# KiCad board mainboard.kicad_pcb
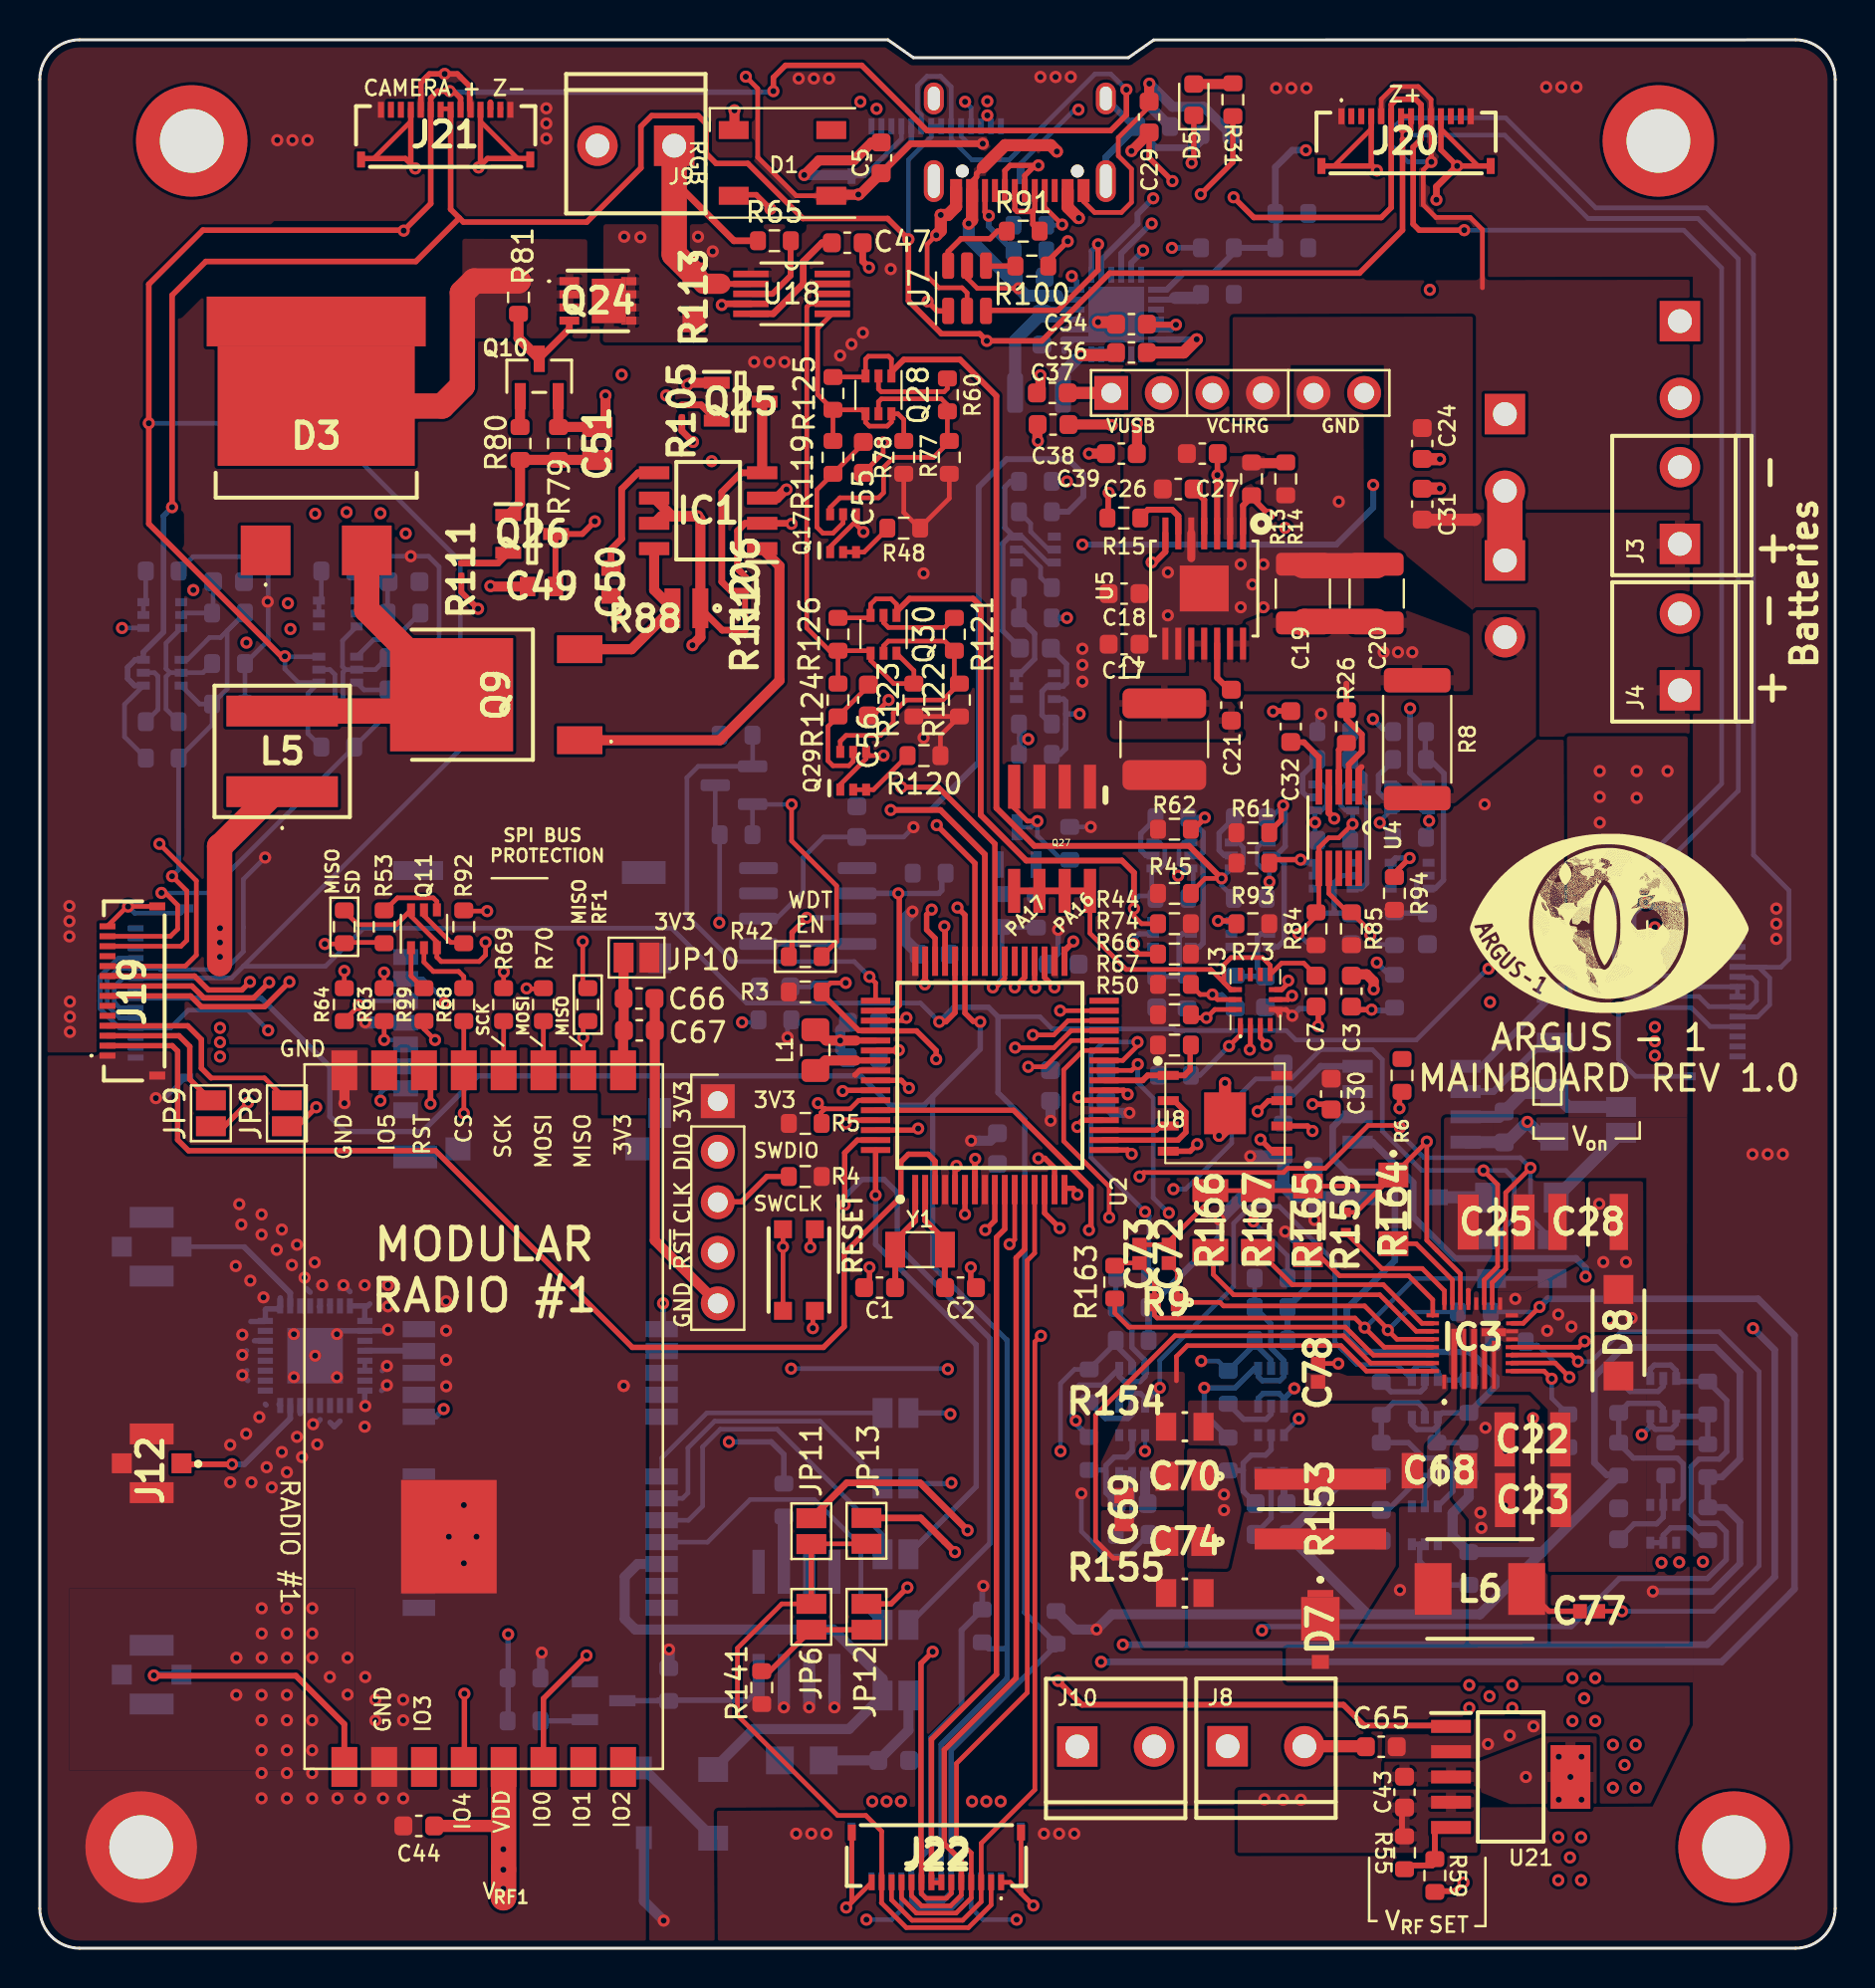
[diagram p0: board, top side]
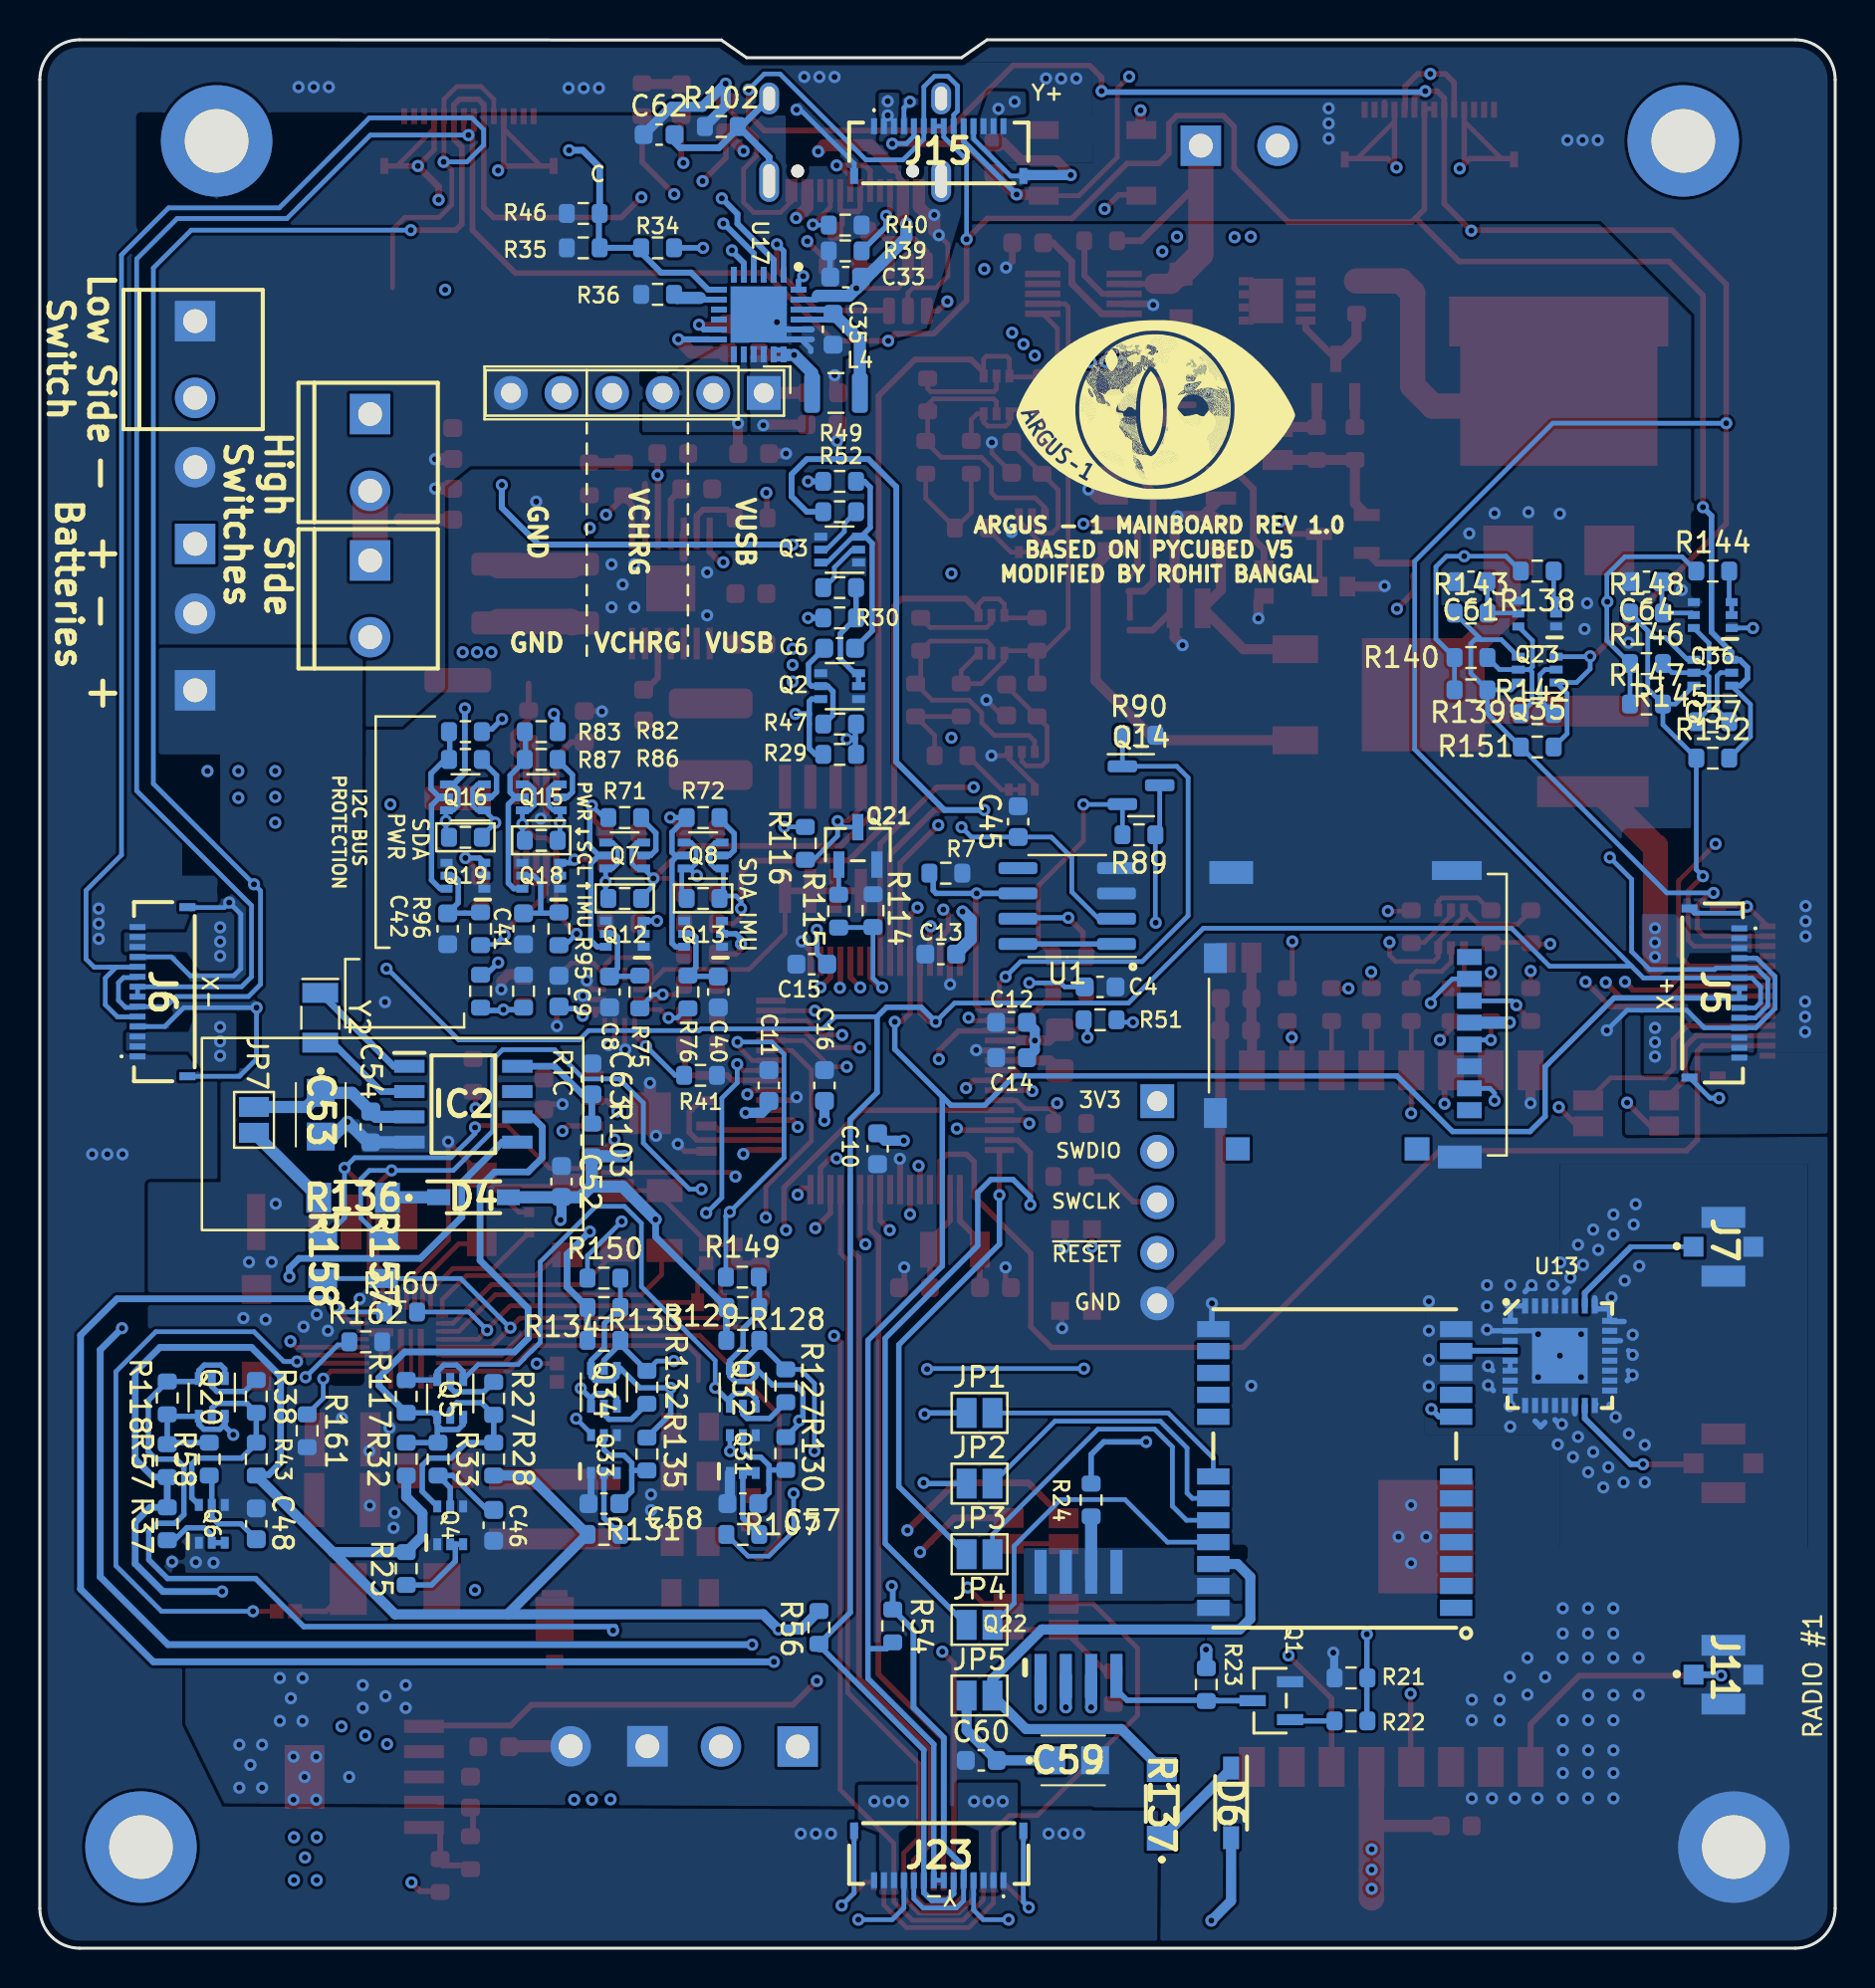
[diagram p1: board, bottom side, seen from below]

Outline 90.17 x 95.88 mm; copper layers: Top, Route2, Route15, Bottom. Coordinates in mm from the lower left corner of the outline.
Outline path: 0,93.88 0,2 arc(0.59,0.59) 2,0 88.17,0 arc(89.58,0.59) 90.17,2 90.17,93.88 arc(89.58,95.3) 88.17,95.88 55.94,95.88 54.67,94.99 43.87,94.99 42.6,95.88 2,95.88 arc(0.59,95.3) 0,93.88
Stack: Top 0.035mm / dielectric 0.48mm FR4 er 4.5 / Route2 0.035mm / dielectric 0.48mm FR4 er 4.5 / Route15 0.035mm / dielectric 0.48mm FR4 er 4.5 / Bottom 0.035mm

## Placement (name value [footprint] x y rotation side)
.  .  [Argus LOGO]  78.63 51.55 0 top
.#2  .  [Argus LOGO]  34.33 77.36 180 bottom
C1  8pF  [C_0603_1608Metric]  42.18 33.19 180 top
C2  8pF  [C_0603_1608Metric]  46.24 33.19 0 top
C3  0.1uF  [C_0603_1608Metric]  65.87 48.08 90 top
C4  1uF  [C_0603_1608Metric]  36.92 48.3 0 bottom
C5  0.1uF  [C_0603_1608Metric]  42.25 89.95 90 top
C6  10uF  [C_0603_1608Metric]  50 65.32 0 bottom
C7  0.1uF  [C_0603_1608Metric]  64.1 48.08 270 top
C8  10nF  [C_0603_1608Metric]  61.56 48.04 270 bottom
C9  0.1uF  [C_0603_1608Metric]  64.1 48.08 270 bottom
C10  0.1uF  [C_0603_1608Metric]  48.09 40.17 270 bottom
C11  0.1uF  [C_0603_1608Metric]  53.56 43.35 90 bottom
C12  1uF  [C_0603_1608Metric]  41.36 46.52 180 bottom
C13  1uF  [C_0603_1608Metric]  44.92 49.95 0 bottom
C14  10uF  [C_0603_1608Metric]  41.36 44.74 0 bottom
C15  1uF  [C_0603_1608Metric]  51.4 49.44 0 bottom
C16  10uF  [C_0603_1608Metric]  50.76 43.35 90 bottom
C17  22uF  [C_0603_1608Metric]  54.46 65.52 180 top
C18  22uF  [C_0603_1608Metric]  54.46 68.06 180 top
C19  100uF  [C_1210_3225Metric]  63.43 68.06 90 top
C20  100uF  [C_1210_3225Metric]  67.14 68.06 90 top
C21  0.1uF  [C_0603_1608Metric]  59.84 62.46 90 top
C22  47uF 25V  [CAPC3225X279N]  74.97 25.57 0 top
C23  47uF 25V  [CAPC3225X279N]  74.99 22.52 0 top
C24  0.1uF  [C_0603_1608Metric]  69.43 75.6 270 top
C25  1uF 25V  [CAPC3225X170N]  73.14 36.49 180 top
C26  3.3nF  [C_0603_1608Metric]  57.18 73.32 180 top
C27  1uF  [C_0603_1608Metric]  58.38 75.1 180 top
C28  10uF 25V  [CAPC3225X230N]  77.76 36.49 0 top
C29  4.7uF  [C_0603_1608Metric]  55.71 92.01 90 top
C30  0.1uF  [C_0603_1608Metric]  64.86 42.92 270 top
C31  22uF  [C_0603_1608Metric]  69.43 72.56 90 top
C32  3.3nF  [C_0603_1608Metric]  62.83 61.38 270 top
C33  1uF  [C_0603_1608Metric]  49.7 83.96 180 bottom
C34  4.7uF  [C_0603_1608Metric]  54.83 81.6 180 top
C35  10uF  [C_0603_1608Metric]  50.33 81.34 90 bottom
C36  47nF  [C_0603_1608Metric]  54.83 80.18 0 top
C37  22uF  [C_0603_1608Metric]  50.85 78.14 0 top
C38  22uF  [C_0603_1608Metric]  50.89 76.56 0 top
C39  10uF  [C_0603_1608Metric]  54.32 75.1 0 top
C40  10nF  [C_0603_1608Metric]  56.1 48.04 270 bottom
C41  10nF  [C_0603_1608Metric]  65.87 51.22 270 bottom
C42  10nF  [C_0603_1608Metric]  69.68 51.22 270 bottom
C43  10uF  [C_0603_1608Metric]  68.54 7.84 270 top
C44  10uF  [C_0603_1608Metric]  19.03 6.14 0 top
C45  0.1uF  [C_0603_1608Metric]  41.03 56.6 90 bottom
C46  10nF  [C_0603_1608Metric]  67.37 21.25 270 bottom
C47  3.3nF  [C_0603_1608Metric]  40.55 85.69 180 top
C48  10nF  [C_0603_1608Metric]  79.3 21.32 90 bottom
C49  0.1u  [CAPC1608X87N]  25.2 68.41 0 top
C50  0.1u  [CAPC1608X87N]  28.69 68.64 90 top
C51  100u  [CAPC2012X150N]  28 75.6 270 top
C52  10uF  [C_0603_1608Metric]  63.97 38.52 270 bottom
C53  -  [CPH3225A]  76.36 42.18 270 bottom
C54  1uF  [C_0603_1608Metric]  73.55 41.26 90 bottom
C55  10nF  [C_0603_1608Metric]  41.36 74.91 270 top
C56  10nF  [C_0603_1608Metric]  41.61 62.71 270 top
C57  10nF  [C_0603_1608Metric]  54.86 22.34 0 bottom
C58  10nF  [C_0603_1608Metric]  61.84 22.34 0 bottom
C59  -  [CPH3225A]  38.57 9.14 180 bottom
C60  1uF  [C_0603_1608Metric]  42.89 9.44 180 bottom
C61  10nF  [C_0603_1608Metric]  18.29 68.66 0 bottom
C62  4.7nF  [C_0603_1608Metric]  59.07 91.12 180 bottom
C63  10uF  [C_0603_1608Metric]  62.44 43.68 270 bottom
C64  10nF  [C_0603_1608Metric]  9.48 68.66 0 bottom
C65  10uF  [C_0603_1608Metric]  67.37 10.12 0 top
C66  10uF  [C_0603_1608Metric]  30.1 47.71 0 top
C67  1uF  [C_0603_1608Metric]  30.11 46.11 180 top
C68  10u 35V  [CAPC3216X180N]  70.29 23.99 180 top
C69  0.1u 10V  [CAPC1608X87N]  54.46 22.03 90 top
C70  0.015uF 50V  [C0805]  57.51 23.71 180 top
C72  4.7uF 6.3V  [CAPC1005X80N]  56.71 34.89 90 top
C73  4.7uF 6.3V  [CAPC1005X80N]  55.23 34.89 90 top
C74  0.015uF 50V  [C0805]  57.51 20.43 180 top
C77  0.22uF 16V  [CAPC1005X70N]  77.81 16.93 180 top
C78  0.22uF 16V  [CAPC1005X70N]  64.2 28.92 90 top
D1  WS2812B  [LED_WS2812B_PLCC4_5.0x5.0mm_P3.2mm]  37.3 89.7 180 top
D3  RB225NS-40TL  [RFN10NS3STL]  13.88 76.06 0 top
D4  MBR0540T1G  [SOD3716X135N]  68.39 37.73 180 bottom
D5  GREEN LED  [LED_0603_1608Metric]  57.96 92.88 90 top
D6  MBR0540T1G  [SOD3716X135N]  30.34 7.3 270 bottom
D7  V2NM153-M3_I  [SE20NJM3H]  64.31 16.01 270 top
D8  VSSAF5L45-M3_6A  [SODFL5226X100N]  79.29 30.92 90 top
H1  MountingHole_Pad  [MountingHole_3.2mm_M3_DIN965_Pad]  7.63 90.81 0 top
H2  MountingHole_Pad  [MountingHole_3.2mm_M3_DIN965_Pad]  5.09 5.08 0 top
H3  MountingHole_Pad  [MountingHole_3.2mm_M3_DIN965_Pad]  85.09 5.08 0 top
H4  MountingHole_Pad  [MountingHole_3.2mm_M3_DIN965_Pad]  81.29 90.81 0 top
IC1  MAX1771ESA+  [SOIC127P600X175-8N]  33.57 72.22 180 top
IC2  PCF8523T_1,118  [SOIC127P600X175-8N]  68.9 42.41 180 bottom
IC3  MAX77961BEFV12+  [MAX77961EFV06T]  71.95 30.4 180 top
J1  503182-1852  [MOLEX_503182-1852]  24.73 46.9 270 bottom
J2  Conn_01x05  [PinHeader_1x05_P2.54mm_Vertical]  34.05 42.56 0 top
J3  1985807  [SCREWTERMINAL-3.5MM-2_LOCK]  82.37 70.74 90 top
J4  1985807  [SCREWTERMINAL-3.5MM-2_LOCK]  82.37 63.38 90 top
J5  -  [F3311A7H121014E200]  6.16 47.99 270 bottom
J6  -  [F3311A7H121014E200]  83.92 48.06 90 bottom
J7  73412-0114  [73412-0110]  5.62 35.24 270 bottom
J8  1985807  [SCREWTERMINAL-3.5MM-2_LOCK]  59.83 10.15 0 top
J9  1985807  [SCREWTERMINAL-3.5MM-2_LOCK]  31.68 90.57 180 top
J10  1985807  [SCREWTERMINAL-3.5MM-2_LOCK]  52.28 10.13 0 top
J11  73412-0114  [73412-0110]  5.62 13.74 270 bottom
J12  73412-0114  [73412-0110]  5.62 24.36 90 top
J13  USB_C_Receptacle_USB2.0  [USB_C_Receptacle_XKB_U262-161N-4BVC11]  49.72 93.33 180 top
J14  Conn_01x06  [PinHeader_1x06_P2.54mm_Vertical]  53.81 78.14 270 bottom
J15  -  [F3311A7H121014E200]  45.02 90.2 180 bottom
J16  1985807  [SCREWTERMINAL-3.5MM-2_LOCK]  73.58 76.9 270 bottom
J17  1985807  [SCREWTERMINAL-3.5MM-2_LOCK]  73.58 69.55 270 bottom
J18  1985807  [SCREWTERMINAL-3.5MM-2_LOCK]  82.37 81.57 270 bottom
J19  -  [F3311A7H121014E200]  4.74 48.09 90 top
J20  -  [F3311A7H121014E200]  68.62 90.7 0 top
J21  -  [F3311A7H121014E200]  20.38 91.02 0 top
J22  -  [F3311A7H121014E200]  45.03 4.65 180 top
J23  -  [F3311A7H121014E200]  45.02 4.76 0 bottom
JP1  SolderJumper_2_Open  [SolderJumper-2_P1.3mm_Open_Pad1.0x1.5mm]  42.97 26.89 180 bottom
JP2  SolderJumper_2_Open  [SolderJumper-2_P1.3mm_Open_Pad1.0x1.5mm]  42.97 23.34 180 bottom
JP3  SolderJumper_2_Open  [SolderJumper-2_P1.3mm_Open_Pad1.0x1.5mm]  42.97 19.79 180 bottom
JP4  SolderJumper_2_Open  [SolderJumper-2_P1.3mm_Open_Pad1.0x1.5mm]  42.97 16.24 180 bottom
JP5  SolderJumper_2_Open  [SolderJumper-2_P1.3mm_Open_Pad1.0x1.5mm]  42.97 12.69 180 bottom
JP6  SolderJumper_2_Open  [SolderJumper-2_P1.3mm_Open_Pad1.0x1.5mm]  38.75 16.65 270 top
JP7  SolderJumper_2_Open  [SolderJumper-2_P1.3mm_Open_Pad1.0x1.5mm]  79.41 41.62 270 bottom
JP8  SolderJumper_2_Open  [SolderJumper-2_P1.3mm_Open_Pad1.0x1.5mm]  12.41 41.95 90 top
JP9  SolderJumper_2_Open  [SolderJumper-2_P1.3mm_Open_Pad1.0x1.5mm]  8.59 41.95 90 top
JP10  SolderJumper_2_Open  [SolderJumper-2_P1.3mm_Open_Pad1.0x1.5mm]  29.97 49.77 180 top
JP11  SolderJumper_2_Open  [SolderJumper-2_P1.3mm_Open_Pad1.0x1.5mm]  38.75 20.95 270 top
JP12  SolderJumper_2_Open  [SolderJumper-2_P1.3mm_Open_Pad1.0x1.5mm]  41.52 16.65 270 top
JP13  SolderJumper_2_Open  [SolderJumper-2_P1.3mm_Open_Pad1.0x1.5mm]  41.52 20.97 270 top
L1  10uH  [L_0805_2012Metric_Pad1.15x1.40mm_HandSolder]  38.95 45.12 270 top
L2  3.3uH  [L_2141]  56.48 60.74 270 top
L4  1uH  [L_2510]  50.18 78.14 0 bottom
L5  22u  [PA5432223NLT]  12.17 60.13 0 top
L6  1.5uH  [INDPM5350X300N]  72.33 18.05 180 top
Q1  IRLML2803  [SOT-23]  28.38 12.44 90 bottom
Q2  MBT2222ADW1T1  [SOT-363_SC-70-6]  50 63.41 0 bottom
Q3  MBT2222ADW1T1  [SOT-363_SC-70-6]  50 70.27 0 bottom
Q4  -  [BSS138DWQ-7]  69.56 21.25 90 bottom
Q5  MBT2222ADW1T1  [SOT-363_SC-70-6]  69.56 27.62 270 bottom
Q6  -  [BSS138DWQ-7]  81.53 21.32 90 bottom
Q7  MBT2222ADW1T1  [SOT-363_SC-70-6]  60.79 54.9 0 bottom
Q8  MBT2222ADW1T1  [SOT-363_SC-70-6]  56.86 54.9 0 bottom
Q9  IRFR320TRPBF-BE3  [IRFR320TRPBFBE3]  22.92 62.98 90 top
Q10  IRLML2803  [SOT-23]  25.08 78.98 0 top
Q11  MMDT2907  [SOT-363_SC-70-6]  19.29 51.22 90 top
Q12  -  [BSS138DWQ-7]  60.79 50.97 0 bottom
Q13  -  [BSS138DWQ-7]  56.86 50.97 0 bottom
Q14  IRLML2803  [SOT-23#2]  34.86 58.43 180 bottom
Q15  MBT2222ADW1T1  [SOT-363_SC-70-6]  64.99 57.82 0 bottom
Q16  MBT2222ADW1T1  [SOT-363_SC-70-6]  68.8 57.82 0 bottom
Q17  -  [BSS138DWQ-7]  40.34 71.1 90 top
Q18  -  [BSS138DWQ-7]  64.99 53.89 0 bottom
Q19  -  [BSS138DWQ-7]  68.8 53.89 0 bottom
Q20  MBT2222ADW1T1  [SOT-363_SC-70-6]  81.53 27.67 270 bottom
Q21  IRLML2803  [SOT-23]  49.09 55.45 180 bottom
Q22  -  [NDS8434]  38 16.29 180 bottom
Q23  -  [BSS138DWQ-7]  14.96 67.06 0 bottom
Q24  SQS141ELNW-T1_GE3  [SQS850ENT1_GE3]  28.03 82.77 0 top
Q25  2SC4713KT146R  [SOT95P280X130-3N]  35.2 77.7 0 top
Q26  2SC4713KT146R  [SOT95P280X130-3N]  24.73 71.06 0 top
Q27  -  [NDS8434]  50.84 55.74 180 top
Q28  MBT2222ADW1T1  [SOT-363_SC-70-6]  42.12 78.04 270 top
Q29  -  [BSS138DWQ-7]  40.85 59.16 90 top
Q30  MBT2222ADW1T1  [SOT-363_SC-70-6]  42.37 66.02 270 top
Q31  -  [BSS138DWQ-7]  54.86 24.83 90 bottom
Q32  MBT2222ADW1T1  [SOT-363_SC-70-6]  54.86 28.18 90 bottom
Q33  -  [BSS138DWQ-7]  61.84 24.83 90 bottom
Q34  MBT2222ADW1T1  [SOT-363_SC-70-6]  61.84 28.18 90 bottom
Q35  MBT2222ADW1T1  [SOT-363_SC-70-6]  14.96 64.24 0 bottom
Q36  -  [BSS138DWQ-7]  6.15 66.98 0 bottom
Q37  MBT2222ADW1T1  [SOT-363_SC-70-6]  6.15 64.09 0 bottom
R1  316K  [R_0603_1608Metric]  68.03 48.08 270 bottom
R2  110K  [R_0603_1608Metric]  65.87 48.08 270 bottom
R3  10K  [R_0603_1608Metric]  38.44 48.04 0 top
R4  10K  [R_0603_1608Metric]  38.44 38.77 180 top
R5  10k  [R_0603_1608Metric]  38.44 41.44 0 top
R6  4.7k  [R_0603_1608Metric]  68.41 43.85 270 top
R7  10k  [R_0603_1608Metric]  44.67 54.01 0 bottom
R8  0.1  [R_2512_6332Metric]  69.18 60.74 270 top
R9  ERJ-UP3J4R7V  [ERJUP3]  56.55 32.45 180 top
R13  73.2K  [R_0603_1608Metric]  60.86 73.83 270 top
R14  22.1K  [R_0603_1608Metric]  62.57 73.83 90 top
R15  100K  [R_0603_1608Metric]  54.44 71.86 180 top
R21  10K  [R_0603_1608Metric]  24.32 13.58 0 bottom
R22  4.7K  [R_0603_1608Metric]  24.32 11.42 0 bottom
R23  3.3K  [R_0603_1608Metric]  31.58 13.25 270 bottom
R24  10K  [R_0603_1608Metric]  37.37 22.52 270 bottom
R25  100K  [R_0603_1608Metric]  71.77 19.07 270 bottom
R26  1K  [R_0603_1608Metric]  65.62 61.38 270 top
R27  680  [R_0603_1608Metric]  67.37 27.62 270 bottom
R28  10K  [R_0603_1608Metric]  67.37 24.57 90 bottom
R29  73.2K  [R_0603_1608Metric]  50 59.98 0 bottom
R30  100K  [R_0603_1608Metric]  50 66.84 180 bottom
R31  10K  [R_0603_1608Metric]  59.92 92.88 270 top
R32  10K  [R_0603_1608Metric]  71.77 24.57 90 bottom
R33  200K  [R_0603_1608Metric]  70.17 24.57 270 bottom
R34  5.23K  [R_0603_1608Metric]  59.14 85.43 0 bottom
R35  30.1K  [R_0603_1608Metric]  62.88 85.43 180 bottom
R36  3.16K  [R_0603_1608Metric]  59.14 83.1 180 bottom
R37  100K  [R_0603_1608Metric]  83.77 21.32 270 bottom
R38  680  [R_0603_1608Metric]  79.3 27.72 270 bottom
R39  5.1k  [R_0603_1608Metric]  49.72 85.28 180 bottom
R40  5.1k  [R_0603_1608Metric]  49.72 86.58 0 bottom
R41  10k  [R_0603_1608Metric]  56.98 43.86 180 bottom
R42  0R  [R_0603_1608Metric]  38.44 49.82 180 top
R43  10K  [R_0603_1608Metric]  79.3 24.57 90 bottom
R44  10K  [R_0603_1608Metric]  56.98 51.47 180 top
R45  10K  [R_0603_1608Metric]  56.98 53 0 top
R46  10K  [R_0603_1608Metric]  62.88 87.16 180 bottom
R47  200K  [R_0603_1608Metric]  50 61.51 0 bottom
R48  100K  [R_0603_1608Metric]  43.39 71.35 180 top
R49  100K  [R_0603_1608Metric]  50 73.7 180 bottom
R50  10k  [R_0603_1608Metric]  56.98 45.38 180 top
R51  10k  [R_0603_1608Metric]  36.92 46.65 0 bottom
R52  10K  [R_0603_1608Metric]  50 72.17 0 bottom
R53  0  [R_0603_1608Metric]  17.29 51.32 270 top
R54  10K  [R_0603_1608Metric]  47.33 16.19 270 bottom
R55  10K  [R_0603_1608Metric]  68.54 4.79 270 top
R56  10K  [R_0603_1608Metric]  51.04 16.12 270 bottom
R57  10K  [R_0603_1608Metric]  83.77 24.5 90 bottom
R58  200K  [R_0603_1608Metric]  81.66 24.57 270 bottom
R59  3.3K  [R_0603_1608Metric]  70.06 3.65 270 top
R60  680  [R_0603_1608Metric]  45.58 78.04 270 top
R61  10K  [R_0603_1608Metric]  60.92 56.05 0 top
R62  10K  [R_0603_1608Metric]  56.98 56.22 0 top
R63  1K  [R_0603_1608Metric]  17.29 47.41 90 top
R64  1K  [R_0603_1608Metric]  15.29 47.41 90 top
R65  1K  [R_0603_1608Metric]  36.89 85.79 0 top
R66  10K  [R_0603_1608Metric]  56.98 48.43 0 top
R67  10K  [R_0603_1608Metric]  56.98 46.9 0 top
R68  4.7K  [R_0603_1608Metric]  21.29 47.41 270 top
R69  1K  [R_0603_1608Metric]  23.29 47.41 90 top
R70  1K  [R_0603_1608Metric]  25.29 47.41 270 top
R71  680  [R_0603_1608Metric]  60.79 56.81 0 bottom
R72  680  [R_0603_1608Metric]  56.86 56.81 0 bottom
R73  100K  [R_0603_1608Metric]  60.92 51.47 180 top
R74  100K  [R_0603_1608Metric]  56.98 49.95 180 top
R75  200K  [R_0603_1608Metric]  60.03 48.04 90 bottom
R76  200K  [R_0603_1608Metric]  57.62 48.04 90 bottom
R77  10K  [R_0603_1608Metric]  45.68 74.91 90 top
R78  10K  [R_0603_1608Metric]  43.39 74.91 90 top
R79  10K  [R_0603_1608Metric]  26.05 75.6 90 top
R80  4.7K  [R_0603_1608Metric]  24.12 75.6 90 top
R81  3.3K  [R_0603_1608Metric]  24.04 82.94 270 top
R82  10K  [R_0603_1608Metric]  64.99 61.13 0 bottom
R83  10K  [R_0603_1608Metric]  68.8 61.13 0 bottom
R84  10K  [R_0603_1608Metric]  64.1 51.22 90 top
R85  10K  [R_0603_1608Metric]  65.87 51.22 90 top
R86  680  [R_0603_1608Metric]  64.99 59.73 0 bottom
R87  680  [R_0603_1608Metric]  68.8 59.73 0 bottom
R88  20m  [ERJB30508]  32.47 67.32 180 top
R89  DNI (0R)  [R_0603_1608Metric]  34.97 55.94 0 bottom
R90  200K  [R_0603_1608Metric]  34.97 60.95 180 bottom
R91  22R  [R_0603_1608Metric]  49.39 86.27 0 top
R92  4.7k  [R_0603_1608Metric]  21.29 51.32 90 top
R93  100K  [R_0603_1608Metric]  60.92 54.52 0 top
R94  100K  [R_0603_1608Metric]  68.03 53 90 top
R95  200K  [R_0603_1608Metric]  64.1 51.22 90 bottom
R96  200K  [R_0603_1608Metric]  68.03 51.22 90 bottom
R97  0  [R_0603_1608Metric]  60.79 52.74 180 bottom
R98  0  [R_0603_1608Metric]  56.86 52.74 180 bottom
R99  0  [R_0603_1608Metric]  19.29 47.41 270 top
R100  22R  [R_0603_1608Metric]  49.82 84.52 180 top
R101  0  [R_0603_1608Metric]  27.52 47.41 90 top
R102  1M  [R_0603_1608Metric]  55.94 91.53 180 bottom
R103  1K  [R_0603_1608Metric]  62.45 40.61 270 bottom
R104  0  [R_0603_1608Metric]  15.29 51.32 90 top
R105  1k  [ERJ1GJJ2R4C]  32.25 77.23 90 top
R106  10k  [ERJ1GJJ2R4C]  35.47 68.49 270 top
R107  100K  [R_0603_1608Metric]  54.86 20.79 180 bottom
R108  0  [R_0603_1608Metric]  64.99 55.66 180 bottom
R109  0  [R_0603_1608Metric]  68.8 55.82 180 bottom
R110  20K  [R_0603_1608Metric]  50 68.36 180 bottom
R111  1k  [ERJ1GJJ2R4C]  21.17 69.28 90 top
R112  0  [ERJ1GJJ2R4C]  35.42 66.54 90 top
R113  82m  [ERJ6_B_BW_R_LW_CW_D]  32.85 82.94 270 top
R114  10K  [R_0603_1608Metric]  48.32 52.13 90 bottom
R115  4.7K  [R_0603_1608Metric]  50.05 52.11 90 bottom
R116  3.3K  [R_0603_1608Metric]  51.73 55.51 270 bottom
R117  0  [R_0603_1608Metric]  71.77 27.72 90 bottom
R118  0  [R_0603_1608Metric]  83.77 27.65 90 bottom
R119  200K  [R_0603_1608Metric]  39.83 74.91 270 top
R120  100K  [R_0603_1608Metric]  44.41 59.92 180 top
R121  680  [R_0603_1608Metric]  45.93 66.02 270 top
R122  10K  [R_0603_1608Metric]  46.18 62.71 90 top
R123  10K  [R_0603_1608Metric]  43.9 62.71 90 top
R124  200K  [R_0603_1608Metric]  40.09 62.71 270 top
R125  0  [R_0603_1608Metric]  39.83 78.12 90 top
R126  0  [R_0603_1608Metric]  40.09 66.02 90 top
R127  680  [R_0603_1608Metric]  52.7 28.26 90 bottom
R128  10K  [R_0603_1608Metric]  54.86 30.54 180 bottom
R129  10K  [R_0603_1608Metric]  54.86 32.19 180 bottom
R130  200K  [R_0603_1608Metric]  52.7 24.85 270 bottom
R131  100K  [R_0603_1608Metric]  61.84 20.79 180 bottom
R132  680  [R_0603_1608Metric]  59.68 28.18 90 bottom
R133  10K  [R_0603_1608Metric]  61.84 30.54 180 bottom
R134  10K  [R_0603_1608Metric]  61.84 32.19 180 bottom
R135  200K  [R_0603_1608Metric]  59.68 24.83 270 bottom
R136  ERA-8VEB1500V  [ERA8KEB1004V]  74.43 37.71 0 bottom
R137  ERA-8VEB1500V  [ERA8KEB1004V]  33.82 7.25 90 bottom
R138  100K  [R_0603_1608Metric]  14.96 69.19 180 bottom
R139  680  [R_0603_1608Metric]  14.96 62.03 0 bottom
R140  10K  [R_0603_1608Metric]  18.29 64.85 180 bottom
R141  10K  [R_0603_1608Metric]  36.26 13.09 90 top
R142  10K  [R_0603_1608Metric]  18.29 63.22 180 bottom
R143  200K  [R_0603_1608Metric]  18.29 67.08 180 bottom
R144  100K  [R_0603_1608Metric]  6.15 69.19 180 bottom
R145  680  [R_0603_1608Metric]  6.15 61.62 0 bottom
R146  10K  [R_0603_1608Metric]  9.48 64.54 180 bottom
R147  10K  [R_0603_1608Metric]  9.48 62.51 180 bottom
R148  200K  [R_0603_1608Metric]  9.48 67.08 180 bottom
R149  0  [R_0603_1608Metric]  54.89 33.72 0 bottom
R150  0  [R_0603_1608Metric]  61.84 33.67 0 bottom
R151  0  [R_0603_1608Metric]  14.96 60.35 180 bottom
R152  0  [R_0603_1608Metric]  6.15 59.79 180 bottom
R153  10m 3W  [RESC3264X70N]  64.31 22.06 90 top
R154  10 1/4W  [RESC2013X65N]  57.51 26.2 0 top
R155  10 1/4W  [RESC2013X65N]  57.51 17.84 0 top
R157  200k 1/4W  [RCC0805_e3]  72.91 34.62 270 bottom